# KiCad board chicker.kicad_pcb (continued)
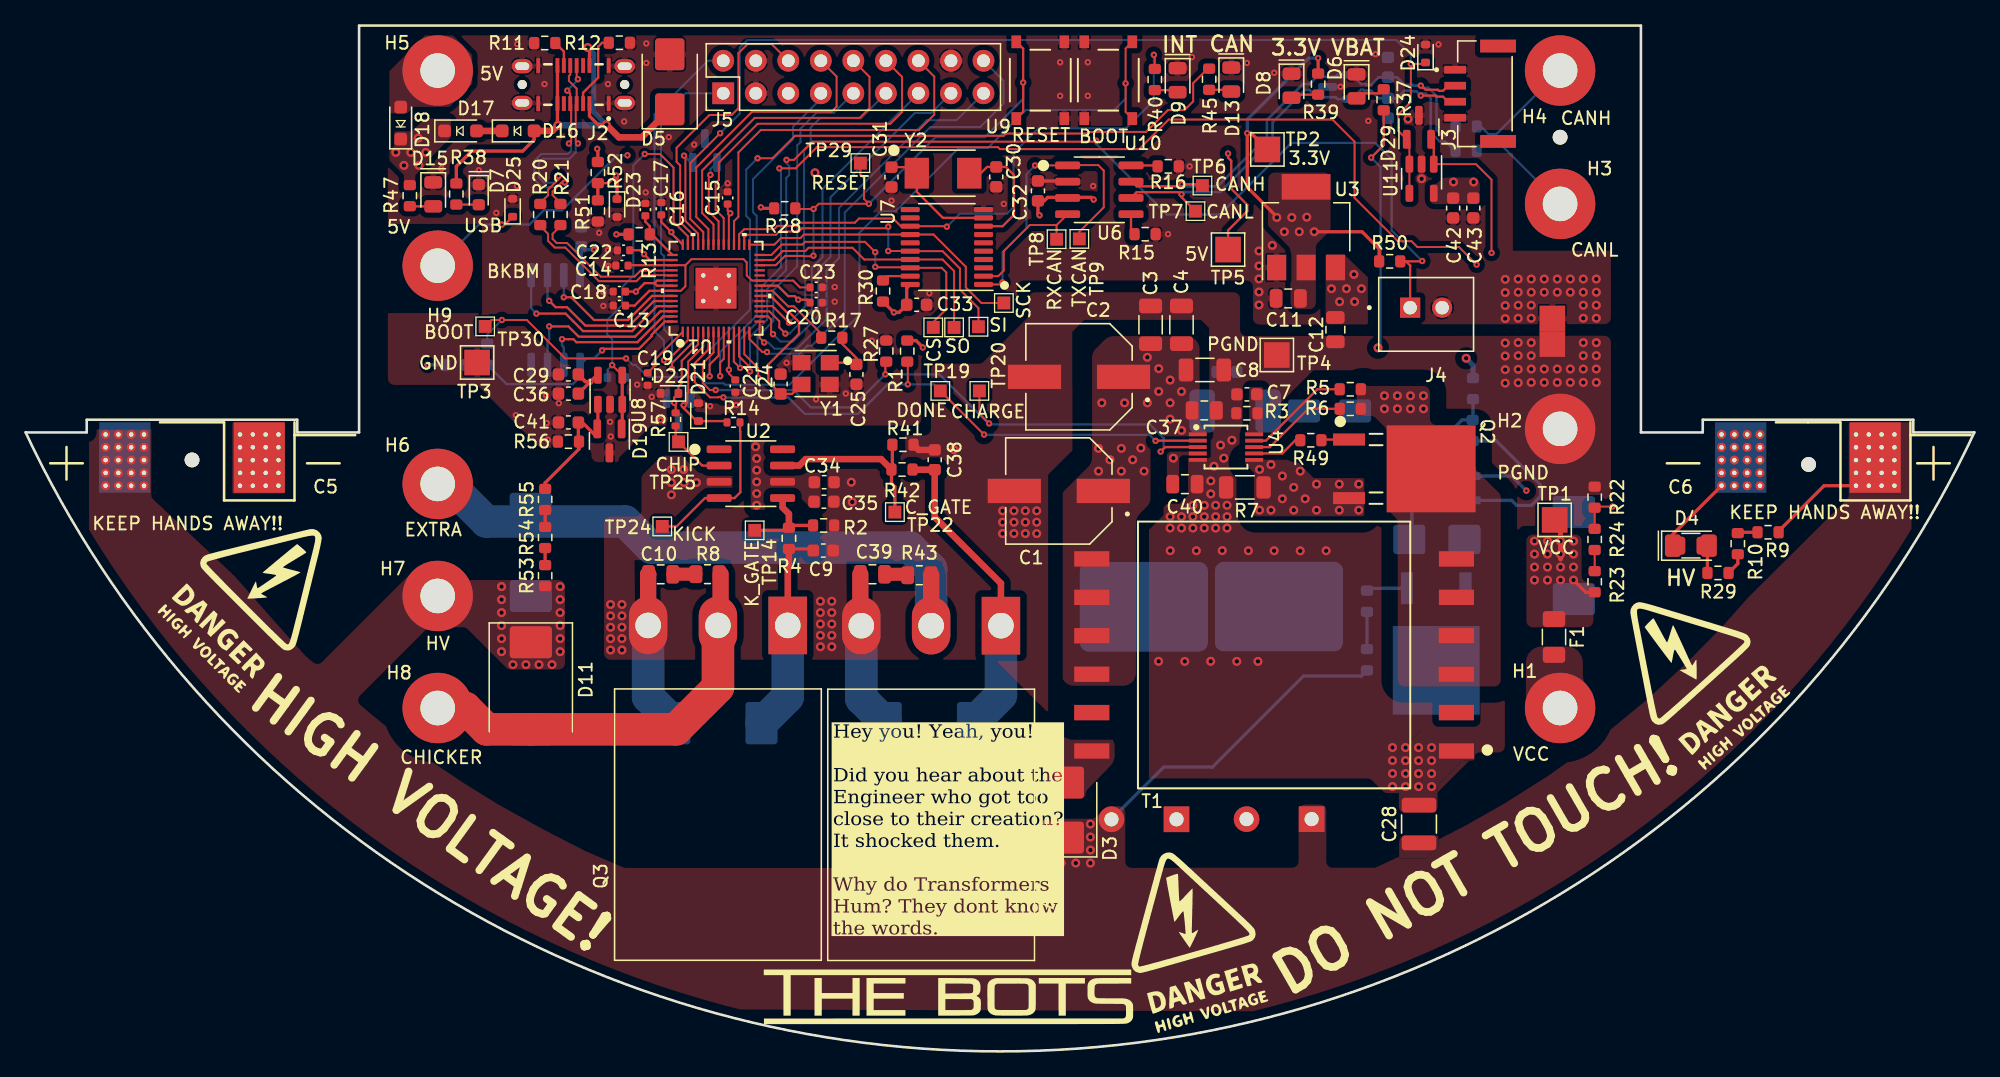
[diagram p0: board, top side]
## Routing (per net, layer and track width the routed paths; a pad name or vN(x,y) marks a point on that pad's centre or on a via; arc(x,y) is an arc through that point) (continued)
/Flyback_HV/IGBTGATE_CHIP: length 24.6
  Top w0.508: Q7.1 76.15,36.55 70.98,41.72 C38.1 69.27,45.42 69.26,45.43 69.26,45.44
  Bottom w2.54: D10.1 76.15,27.82 Q7.1
/Flyback_HV/IGBTGATE_KICK: length 16.5
  Top w0.254: R4.2 61.37,39.24 C9.1
  Top w0.508: Q3.1 59.5,37.7 59.59,37.8 R4.2
  Bottom w2.54: D1.1 59.5,27.68 Q3.1
/Flyback_HV/KICK_0R: length 12.7
  Top w0.178: TP24.1 50.82,41 53.04,43.21 U2.4 55.35,43.21 55.8,43.66 55.8,48.39 55.78,48.41 R14.2
/Flyback_HV/KICK_GATE: length 7.2
  Top w0.254: TP14.1 59.26,40.69 59.45,40.89 R4.1 59.78,41.07 R2.1
  Top w0.508: U2.5 59.1,42.48 59.59,41.98 R4.1
/Flyback_HV/KICK_HV: length 32.9
  Top w1.27: Q3.2 54.26,33.47 54.26,37.27
  Top w2.54: Q3.2 54.05,28.43 50.78,25.15 D11.2 35.99,25.15 34.32,26.82 H8.1
/Flyback_HV/Q2D:
  vias: v2(106.09,51.2) v2(106.09,50.18) v2(107.1,51.2) v2(107.1,50.18) v2(108.12,51.2) v2(108.12,50.18) v2(109.13,51.2) v2(109.13,50.18)
/Flyback_HV/RDCM: length 7.9
  Top w0.178: U4.8 97.15,47.19 100.13,50.18 R6.1
/Flyback_HV/RVOUT: length 8.3
  Top w0.178: U4.9 96.83,47.69 100.85,51.71 R5.1
/Flyback_HV/SNUB: length 1.8
  Top w1.016: C39.1 68.79,37.26 68.86,37.19
/Flyback_HV/SNUB2: length 1.8
  Top w1.016: 50.54,37.26 50.54,37.27 50.55,37.27 R8.2
/Flyback_HV/VSOURCE:
  vias: v2(96.34,45.44) v2(96.34,42.27) v2(97.23,45.82) v2(97.23,42.27) v2(98.12,44.93) v2(98.12,43.16) v2(99.01,44.05) v2(99.01,42.27) v2(99.51,45.32) v2(99.9,43.16) v2(100.78,44.3) v2(100.78,42.27) v2(102.56,44.3) v2(102.56,42.27) v2(104.09,44.3) v2(104.09,42.27)
/High Voltage Feedback/HV_FDBK1: length 1.3
  Top w0.254: R53.2 R54.1
/High Voltage Feedback/HV_FDBK2: length 1.3
  Top w0.254: R54.2 R55.1
/High Voltage Feedback/HV_RAW: length 10.7
  Top w0.254: R55.2 40.56,44.4 43.2,47.04 R56.1 43.15,47.67 C41.1 ; C41.1 43.47,49.12 44.53,48.06 44.68,48.21 44.68,50.23 ; C41.1 43.48,49.12
/High Voltage Feedback/HV_SENSE: length 33.8
  Top w0.152: v1(48.33,70.08) 49.53,70.08 50.59,69.02 50.59,64.77 51.71,63.66 U1.41 ; U8.4 v1(45.79,53.59)
  Top w0.254: 46.43,48.06 46.58,48.21 46.58,52.51
  Bottom w0.152: v1(48.33,70.08) 47.44,69.19 47.44,60.56 46.56,59.67 46.56,58.27 45.41,57.13 45.41,55.98 45.79,55.6 v1(45.79,53.59) 45.43,53.23 D20.1
/PowerPillars/BATT_RAW: length 42.1
  Top w0.152: v1(114.45,62.36) 114.45,68.07 113.24,69.29 U11.1 ; v1(123.9,42.55) 122.59,42.55 R22.1 R24.2
  Top w0.178: D29.2 109.94,71.02 U11.1
  In1.Cu w0.152: v1(114.45,62.36) 114.45,51.06 116.23,49.28 116.23,45.87 118.03,44.07 122.37,44.07 v1(123.9,42.55)
/PowerPillars/CANR+: length 8.8
  Bottom w0.178: H4.1 114.82,71.62 114.23,71.62 113.61,72.24 R26.1
/PowerPillars/CANR-: length 8.9
  Bottom w0.178: H3.1 114.82,71.16 114.19,71.16 113.36,70.33 R25.1
/PowerPillars/USB_DIO: length 1.8
  Top w0.178: R38.2 35.37,66.13 D7.2
/RP2040/BATT_LEVEL: length 83.3
  Top w0.152: U1.38 52.91,63.99 51.89,65.01 51.89,69.37 v1(54.23,71.71) ; U11.4 U11.3 108.04,71.02 D29.1 107.16,71.9 107.16,73.16 108.15,74.15 v1(108.15,77.12) 109.19,77.12 D24.1
  Bottom w0.152: v1(54.23,71.71) 55.75,73.23 55.75,78.39 56.35,78.98 107.01,78.98 108.15,77.85 v1(108.15,77.12)
/RP2040/BKBM: length 34.5
  Top w0.152: U1.35 54.11,64.82 53.34,65.58 53.34,68.33 v1(53.46,68.46)
  Top w0.178: D25.1 37.41,64.57 v1(37.18,64.57)
  In2.Cu w0.152: v1(46.99,69.98) 46.99,69.27 48.44,67.82 52.83,67.82 v1(53.46,68.46)
  Bottom w0.152: D27.1 53.46,68.9 v1(53.46,68.46)
  Bottom w0.178: H9.1 35.38,64.57 v1(37.18,64.57) 39.34,64.57 40.46,65.69 41.88,65.69 46.17,69.98 v1(46.99,69.98)
/RP2040/BOOT: length 75.3
  Top w0.152: U10.2 85.88,73.37 v1(85.88,75.6) 85.88,78.32 U10.1 ; v1(46.88,54.12) 42.13,54.12 39.13,57.12 v1(37.18,57.12) 36.38,57.12 TP30.1
  Bottom w0.152: v1(85.88,75.6) 85.88,74.4 84.99,73.51 78.08,73.51 75.13,70.56 72.87,70.56 67.92,65.61 66.77,65.61 65.1,63.93 65.1,57.53 59.63,52.07 54.6,52.07 54.49,52.18 53.04,52.18 52.54,52.68 48.59,52.68 48.38,52.89 48.36,52.89 47.63,53.62 47.38,53.62 v1(46.88,54.12) ; v1(37.18,57.12) 36.04,55.97 R18.1
/RP2040/CAN_LED: length 61.6
  Top w0.152: v1(53.4,52.72) 53.4,53.63 54.11,54.34 U1.8 ; R45.2 92.29,76.75 91.16,75.62 91.16,74.2 90.47,73.51 89.18,73.51 87.48,71.81 83,71.81 82.88,71.68 76.53,71.68 76.35,71.5 60.07,71.5 58.32,69.75 v1(57.15,69.75)
  Bottom w0.152: v1(57.15,69.75) 56.26,68.86 56.26,65.25 56.56,64.96 56.56,57.93 53.4,54.78 v1(53.4,52.72)
/RP2040/CC1: length 5.9
  Top w0.178: J2.A5 43.52,74.87 44.7,76.05 44.7,78.46 45.01,78.77 R12.1
/RP2040/CC2: length 2
  Top w0.178: J2.B5 42.02,78.09 R11.1
/RP2040/CHIP: length 7.9
  Top w0.152: D22.1 50.97,51.94 51.22,52.19 51.22,53.93 52.51,55.21 U1.4
  Top w0.178: D22.1 50.63,51.05 v1(50.63,50.66) 50.75,50.54 R57.1
  Bottom w0.178: D28.1 50.37,50.66 v1(50.63,50.66)
/RP2040/D+: length 16.4
  Top w0.152: v1(43.12,70.9) 42.95,71.08 42.95,73.95 J2.A6 43.02,75.19 42.42,75.8 42.42,76.18 42.52,76.28 J2.B6 ; v1(41.59,68.35) 41.59,68.1 40.79,67.3 40.79,66.87 40.18,66.26 R20.2
  Bottom w0.152: v1(41.59,68.35) 41.59,68.1 41.34,67.85 40.48,67.85 40.08,68.24 40.08,69.4 40.41,69.73 42.46,69.73 42.95,70.21 42.95,70.73 v1(43.12,70.9)
/RP2040/D-: length 17.2
  Top w0.152: v1(42.42,70.9) 42.59,71.08 42.59,73.95 J2.A7 42.52,74.8 v1(42.29,75.03) ; R21.2 41.76,66.26 41.15,66.87 41.15,67.15 41.85,67.85 v1(42.09,67.85) ; v1(43.12,75.92) 43.02,76.02 J2.B7
  Bottom w0.152: v1(42.42,70.9) 42.59,70.73 42.59,70.36 42.32,70.08 40.26,70.08 39.72,69.54 39.72,68.09 40.33,67.49 41.48,67.49 41.85,67.85 v1(42.09,67.85) ; v1(42.29,75.03) 43.12,75.86 v1(43.12,75.92)
/RP2040/DR+: length 12.7
  Top w0.152: U1.47 49.89,60.6 49.87,60.62 48.16,60.62 47.68,60.15 44.75,60.15 42.13,62.78 41.31,62.78 40.79,63.3 40.79,63.85 40.18,64.46 R20.1
/RP2040/DR-: length 12.1
  Top w0.152: U1.46 49.89,61 49.87,60.98 48.01,60.98 47.54,60.5 44.9,60.5 42.28,63.13 41.46,63.13 41.15,63.45 41.15,63.85 41.76,64.46 R21.1
/RP2040/GPIO7: length 29.2
  Top w0.152: v1(54.23,52.73) 54.23,53.8 54.51,54.08 U1.9
  Bottom w0.152: J5.4 62.09,74.39 59.92,72.22 59.92,71.25 56.79,68.12 56.79,65.53 57.07,65.25 57.07,57.46 54.23,54.61 v1(54.23,52.73)
/RP2040/GPIO10: length 30.2
  Top w0.152: U1.13 56.11,54.45 56.96,53.59 56.96,53.59 57.19,53.36 v1(57.19,52.6)
  Bottom w0.152: v1(57.19,52.6) 57.14,52.65 57.14,55.79 58.38,57.04 58.38,59.45 60.24,61.31 60.24,70.76 60.5,71.02 60.5,72.06 61.74,73.31 63.11,73.31 J5.5
/RP2040/GPIO11: length 37.6
  Top w0.152: v1(57.88,54.62) 57.52,54.62 56.51,55.64 U1.14
  Bottom w0.152: v1(57.88,54.62) 58.02,54.48 60.41,54.48 61.05,55.12 61.38,55.12 63.95,57.69 63.95,65.51 70.63,72.19 74.52,72.19 76.35,74.02 76.35,75.8 J5.10
/RP2040/GPIO12: length 31.9
  Top w0.152: U1.15 57.31,55.72 v1(57.66,55.36)
  Bottom w0.152: J5.9 72.68,72.72 70.36,72.72 63.5,65.86 63.5,61.95 62.53,60.98 62.53,57.17 60.24,54.88 58.46,54.88 57.98,55.36 v1(57.66,55.36)
/RP2040/GPIO13: length 29.2
  Top w0.152: v1(58.35,56.01) 58.21,56.15 58.21,57.15 57.96,57.4 U1.16
  Bottom w0.152: J5.8 70.7,73.28 69.42,73.28 62.84,66.7 62.84,62.05 61.89,61.11 61.89,57.42 59.91,55.45 58.91,55.45 v1(58.35,56.01)
/RP2040/GPIO14: length 26.3
  Top w0.152: U1.17 58.07,57.8 58.84,57.02 58.84,56.53 v1(59.32,56.06)
  Bottom w0.152: J5.7 62.22,67.34 62.22,62.03 61.38,61.2 61.38,57.8 59.63,56.06 v1(59.32,56.06)
/RP2040/GPIO15: length 25.8
  Top w0.152: U1.18 58.32,58.2 v1(59.6,56.92)
  Bottom w0.152: J5.6 65.21,72.87 62.02,72.87 61.29,72.14 61.29,70.84 60.78,70.33 60.78,61.08 60.78,61.08 60.87,60.98 60.87,58.19 v1(59.6,56.92)
/RP2040/GPIO21: length 28.6
  Top w0.152: U1.32 55.31,64.83 55.65,65.18 55.65,70.21 57.4,71.96 69.75,71.96 70.94,73.15 70.94,76.13 J5.12
/RP2040/GPIO22: length 27.2
  Top w0.152: U1.34 54.51,65.08 53.87,65.71 53.87,67.79 54.12,68.05 54.12,69.42 57.15,72.44 67.51,72.44 68.43,73.36 68.43,76.11 J5.13
/RP2040/GPIO24: length 25.5
  Top w0.152: U1.36 53.71,64.58 52.82,65.47 52.82,68.8 56.92,72.9 65.12,72.9 65.89,73.66 65.89,76.11 J5.14
/RP2040/GPIO25: length 23.4
  Top w0.152: U1.37 53.31,64.22 52.36,65.17 52.36,69.02 56.72,73.38 62.91,73.38 63.32,73.79 63.32,76.13 J5.15
/RP2040/GPIO27_ADC2: length 23.2
  Top w0.152: J5.16 58.24,78.67 56.36,78.67 55.65,77.95 55.65,73.66 55.12,73.13 53.39,73.13 50.82,70.56 50.82,69.47 51.1,69.19 51.1,64.76 52.11,63.76 U1.40
/RP2040/KICK: length 11.3
  Top w0.152: v1(51.37,50.47) 51.47,50.47 51.66,50.65 51.66,51.4 51.73,51.47 51.73,53.87 52.91,55.04 U1.5
  Top w0.178: R14.1 54.66,49.23 D21.1 52.39,49.23 51.37,50.24 v1(51.37,50.47)
  Bottom w0.152: D28.2 51.42,50.47 v1(51.37,50.47)
/RP2040/QSPI_SCLK: length 13.3
  Top w0.178: v1(40.88,58.62) 41.38,58.12 42.27,58.12 43.7,56.68 47.14,56.68 49.05,58.6 U1.52
  Bottom w0.178: U5.6 40.74,58.75 v1(40.88,58.62)
/RP2040/QSPI_SD0: length 15.2
  Top w0.178: v1(39.88,57.62) 42.16,57.62 43.52,56.25 47.35,56.25 49.29,58.2 U1.53
  Bottom w0.178: U5.5 39.47,58.02 v1(39.88,57.62)
/RP2040/QSPI_SD1: length 11.6
  Top w0.178: U1.55 49.77,57.4 47.76,55.39 43,55.39 42.77,55.62 v1(41.88,55.62)
  Bottom w0.178: U5.2 42.01,54.98 41.88,55.12 v1(41.88,55.62)
/RP2040/QSPI_SD2: length 13.8
  Top w0.178: U1.54 49.56,57.8 47.58,55.82 43.18,55.82 42.38,56.62 v1(40.88,56.62)
  Bottom w0.178: v1(40.88,56.62) 40.88,55.62 40.74,55.48 U5.3
/RP2040/QSPI_SD3: length 11.7
  Top w0.178: v1(42.01,58.89) 42.61,58.89 44.38,57.12 47.03,57.12 48.91,59 U1.51
  Bottom w0.178: v1(42.01,58.89) U5.7
/RP2040/QSPI_SS: length 19.4
  Top w0.178: v1(45,54.74) 45.13,54.87 47.88,54.87 48.88,55.87 48.88,55.97 49.91,57 U1.56
  Bottom w0.178: R19.1 R18.2 37.54,52.12 42.73,52.12 43.28,52.67 U5.1 43.78,54.12 44.38,54.12 v1(45,54.74)
/RP2040/RUN: length 40.7
  Top w0.152: TP29.1 65.17,68.48 65.45,68.2 65.45,66.58 v1(65.83,66.19) 61.92,66.19 v1(61.52,65.79) 60.14,65.79 R28.2 ; U1.26 58.57,61.4 59.29,62.12 60.68,62.12 60.71,62.1 61.46,62.1 v1(61.51,62.14)
  Top w0.178: U9.2 77.88,78.31 v1(77.88,75.66) 77.88,73.38 U9.1
  Bottom w0.152: v1(61.51,62.14) 61.51,65.78 v1(61.52,65.79)
  Bottom w0.178: v1(65.83,66.19) 71.04,71.4 74.9,71.4 77.88,74.38 v1(77.88,75.66)
/RP2040/RX: length 29.8
  Top w0.152: v1(49.84,53.98) 50.14,53.98 51.71,55.54 U1.2
  Bottom w0.152: J5.18 53.28,77.37 49.1,73.18 49.1,56.25 49.85,55.49 49.85,53.99 v1(49.84,53.98)
/RP2040/SHELL_OFF: length 89.4
  Top w0.152: v1(83.59,71.12) 83.51,71.05 61.41,71.05 59.99,69.62 v1(59.41,69.62) ; U1.12 55.7,56.19 55.7,54.28 56.56,53.43 v1(56.56,53.11)
  Top w0.178: v1(109.04,61.72) 109.01,61.7 R50.2 107.77,61.7 108.1,61.37 108.09,61.36 J4.1
  Bottom w0.152: v1(56.56,53.11) 56.56,55.79 57.89,57.13 57.89,59.54 59.38,61.02 59.38,68.21 59.62,68.45 59.62,69.13 59.41,69.34 v1(59.41,69.62)
  Bottom w0.178: v1(83.59,71.12) 83.59,70.87 89.1,65.36 93.24,65.36 98.83,70.94 105.38,70.94 106.65,69.67 106.65,64.11 v1(109.04,61.72)
/RP2040/TX: length 29.2
  Top w0.152: v1(50.46,53.31) 50.46,53.74 52.11,55.39 U1.3
  Bottom w0.152: J5.1 51.53,74.83 49.6,72.9 49.6,62.34 49.85,62.1 49.85,56.39 50.46,55.78 v1(50.46,53.31)
/RP2040/XIN: length 12.9
  Top w0.178: Y1.3 59.84,51.34 C24.2 57.98,52.3 57.98,53.64 60.38,56.04 60.38,56.96 59.64,57.7 59.46,57.7 58.16,59 U1.20
/RP2040/XOUT: length 6.5
  Top w0.152: U1.21 58.32,59.4 59.53,58.19 59.99,58.19 62.11,56.06 R17.2
/RP2040/XOUT_R: length 4.7
  Top w0.178: Y1.1 64.73,53.78 C25.2 64.86,54.15 63.75,55.26 63.75,55.76 63.73,55.74
HV: length 32.4
  Top w0.254: C6.1 140.41,44.18 136.86,40.63 R9.2
  Bottom w0.254: R44.2 88.85,22.2 92.66,22.2 99.77,29.31 104.28,29.31 R34.1
  vias: v2(37.16,36.3) v2(37.16,35.28) v2(37.16,34.27) v2(37.16,33.25) v2(37.16,32.23) v2(37.16,31.22) v2(38.05,30.2) v2(39.06,30.2) v2(40.08,30.2) v2(41.09,30.2) v2(41.73,36.3) v2(41.73,35.28) v2(41.73,34.27) v2(41.73,33.25) v2(41.73,32.23) v2(41.73,31.22) v2(79.7,17.76) v2(79.7,16.74) v2(79.7,15.72) v2(79.7,14.71) v2(80.85,14.71) v2(81.99,14.71) v2(83.13,17.76) v2(83.13,16.74) v2(83.13,15.72) v2(83.13,14.71)
Net-(D4-A): length 2.2
  Top w0.254: R29.1 131.3,39.38 D4.2
Net-(D9-A): length 1.8
  Top w0.178: R40.2 89.93,75.07 89.94,75.06
Net-(D13-A): length 1.7
  Top w0.178: R45.1 94.12,75.1 94.13,75.11
Net-(Q2-G): length 2.2
  Top w0.178: R49.2 101.22,47.78 Q2.1
Net-(Q5-Pad2): length 2.2
  Bottom w0.254: Q5.2 109.52,45.31 Q8.3
Net-(R10-Pad1): length 1.8
  Top w0.254: R29.2 133.68,38.09 R10.1
Net-(R10-Pad2): length 1.6
  Top w0.254: R10.2 133.74,40.54 R9.1
Net-(R23-Pad2): length 1.7
  Top w0.152: R23.2 R24.1
Net-(U4-GATE): length 4
  Top w0.178: U4.7 98.1,46.69 99.13,47.73 R49.1
Net-(U7-~{RESET}): length 2.3
  Top w0.178: R30.2 67.28,60.54 U7.19

## Copper pours and planes (outline as drawn; the poured copper is in the pictures)
+3.3V on Top: 101.88,68.63 101.88,64.14 100.73,62.99 100.73,57.96 98.75,57.96 98.75,62.71 96.99,64.48 97.03,68.63
+3.3V on Top: 109.65,67.69 109.65,66.37 109.85,66.17 113.41,66.17 113.54,66.3 113.54,67.92 113.21,68.25 110.67,68.25 110.11,67.69
+3.3V on In1.Cu: 28.29,88.52 28.29,52.05 35.25,52.05 40.17,47.13 44.18,47.12 44.18,46.02 46.3,46.02 46.3,46.34 48.83,48.87 69.92,48.87 69.92,54.46 74.11,54.46 77.42,57.76 77.42,60.2 95.82,60.2 95.82,56.76 123.78,56.8 123.75,88.52
+5V on Top: 101.5,62.23 101.5,56.77 104.8,56.77 104.8,60.45 102.95,62.23
+5V on Top: 28.78,70.72 28.39,70.33 28.39,69.57 29.54,68.43 29.54,67.29 30.43,67.29 30.43,68.43 31.57,69.57 31.57,69.75 33.22,71.4 33.22,72.85 31.16,72.85 30.17,71.86 28.78,71.86
+5V on In1.Cu: 28.29,66.91 54.68,66.91 57.35,69.57 98.62,69.57 101.47,66.73 101.45,59.15 102.51,58.09 105.13,58.09 105.13,75.52 101.29,79.35 28.29,79.35
/PowerPillars/5V_IN on Top: 33.35,79.35 34.87,77.83 34.87,75.54 33.09,73.76 30.3,73.76 29.79,73.26 28.39,73.26 28.39,76.56 31.19,79.35
/PowerPillars/VCC_FUSE on Top: 117.14,31.63 121.58,31.63 121.58,28.85 122.47,27.96 122.47,25.8 120.82,24.15 118.66,24.15 117.14,25.67
GND on Top, Bottom, In2.Cu: 28.29,88.52 28.29,52.05 35.25,52.05 40.17,47.13 44.18,47.12 44.18,46.02 46.3,46.02 46.3,46.34 48.83,48.87 69.92,48.87 69.92,54.46 74.11,54.46 77.42,57.76 77.42,60.2 95.82,60.2 95.82,56.76 123.77,56.8 123.75,88.52
GNDPWR on Top: 20.25,50.44 20.25,43.55 16.14,43.55 16.14,50.44
GNDPWR on Top: 113.15,25.1 113.15,22.71 112.19,22.71 110.23,20.75 110.23,18.62 107.21,18.62 107.21,23.37 108.94,25.1
GNDPWR on Top: 94.79,41.51 94.79,50.73 94.89,50.83 94.89,53.19 92.4,53.19 92.4,48.87 92.53,48.74 92.53,46.46 92.4,46.33 90.75,46.33 90.75,43.79 91.26,43.28 91.26,41.51
GNDPWR on Top, Bottom, In2.Cu: 123.77,41.04 123.77,55.89 94.82,55.86 94.82,59.29 78.31,59.29 78.31,57.38 74.62,53.7 70.69,53.7 70.69,48.11 52.78,48.11 51.19,46.52 49.67,46.52 48.08,44.93 48.08,41.76 45.16,41.76 45.16,30.58 75.69,30.58 80.08,26.19 80.08,21.31 104.97,21.31 106.12,20.17 110.18,20.17 113.36,23.34 115.49,23.34 115.49,28.15 116.54,29.19 116.53,41.04
GNDPWR on Bottom: 135.96,49.94 135.96,43.56 131.93,43.56 131.93,49.94
GNDPWR on In1.Cu, In2.Cu: 22.54,49.77 22.45,30.36 24.38,28.6 26.72,26.52 28.93,24.74 30.91,23.21 32.76,21.89 34.19,20.93 39.8,26.48 44.87,26.49 46.74,28.34 46.72,35.46 50.36,35.46 50.36,27.83 49.12,26.49 60.46,26.43 63.67,29.64 63.67,35.36 66.81,35.39 66.78,27.79 63.26,23.77 41.44,23.77 36.94,19.26 40.69,17.18 42.88,16.06 43.69,15.64 44.56,15.27 45.43,14.89 46.75,14.33 105.23,14.33 106.13,14.64 106.13,24.23 110.26,24.23 110.28,16.58 112.31,17.6 115.19,19.23 118.83,21.51 122.63,24.21 126.72,27.6 129.32,30.04 129.48,30.2 129.43,49.52 136.41,49.54 136.69,49.21 136.66,3.09 15.47,3.24 15.47,48.63 16.56,49.72
VCC on Top: 90.06,46.33 90.3,46.55 92.2,46.55 92.2,46.85 89.33,46.84 89.1,46.61 89.1,43.63 90.06,43.63
VCC on Top: 56.61,47.75 57.76,47.75 57.76,45.09 60.42,45.09 60.55,45.21 62.08,45.21 62.08,42.42 61.31,42.42 59.92,43.82 57.76,43.82 57.76,42.29 56.61,42.29
VCC on Top: 92.22,48.04 87.83,48.03 87.83,42.83 86.69,41.68 86.69,28.55 80.85,28.55 80.85,43.54 83.26,45.95 83.26,54.59 84.53,55.86 91.65,55.86 91.67,48.97 92.22,48.37
VCC on Top, Bottom: 117.17,40.36 117.17,33.12 122.38,33.12 122.5,36.68 121.49,36.62 121.49,40.36
VCC on Bottom: 93.42,53.82 93.42,52.3 93.04,51.92 93.04,48.11 89.61,48.11 88.85,48.87 88.85,53.82
VCC on In1.Cu: 115.23,55.87 94.82,55.87 94.82,59.29 78.31,59.29 78.31,57.38 74.62,53.7 70.69,53.7 70.69,48.11 52.78,48.11 51.19,46.52 49.67,46.52 48.08,44.93 48.08,41.39 72.32,41.39 80.08,33.62 80.05,21.27 104.49,21.27 104.49,26.39 113.81,26.39 120.54,33.12 121.49,33.12 121.48,43.49 115.23,43.5
/Autodischarge/AD_35W on Bottom: 113.36,26.52 102.94,26.52 96.47,20.04 96.47,16.99 88.85,16.99 88.85,19.15 94.18,19.15 102.44,27.41 106.88,27.41 106.88,33.25 113.36,33.25
/Autodischarge/AD_G on Bottom: 106.75,41.25 106.75,37.7 107.39,37.06 107.39,34.9 108.53,34.9 108.91,35.28 108.91,38.58 109.29,38.97 109.29,41.25
/Flyback_HV/CHIP_HV on Bottom: 37.4,43.59 41.53,43.59 41.53,40.67 40.97,40.11 38.37,40.11 37.4,41.07
/Flyback_HV/HV_DIO on Top: 85.04,24.87 85.04,22.65 82.75,20.3 82.75,19.79 79.58,19.79 79.58,24.87
/Flyback_HV/Q2D on Top: 104.69,51.96 104.69,52.09 103.93,52.09 103.93,49.64 105.23,49.64 106.25,48.62 106.25,42.14 106.5,42.14 107.13,41.51 107.13,28.5 115.17,28.5 115.17,43.47 113.2,45.44 113.2,48.91 109.64,48.91 109.64,51.96
/Flyback_HV/Q2D on Bottom: 102.53,50.95 102.53,49.04 105.07,49.04 105.71,49.68 109.64,49.68 109.64,51.71 105.71,51.71 104.94,50.95
/Flyback_HV/RBG on Top: 95.53,51.89 95.53,48.62 95.3,48.41 95.3,48.03 96.62,48.03 96.62,51.89
/Flyback_HV/RCD on Bottom: 101.04,51.03 101.04,48.87 98.63,48.87 97.99,48.24 95.83,48.24 95.83,51.79 95.32,52.3 94.18,52.3 94.18,53.82 96.85,53.82 99.64,51.03
/Flyback_HV/VSOURCE on Top, In1.Cu, In2.Cu: 95.21,46.33 96.59,46.33 96.72,46.2 99.13,46.2 100.57,44.77 104.51,44.77 104.51,41.79 95.9,41.79 95.9,45.18 95.21,45.87
HV on Top: 147.24,50.01 147.24,43.51 142.34,43.51 142.34,50.01
HV on Top: 107.24,16.87 107.24,15.08 109.35,15.08 110.29,16.03 110.29,16.87
HV on Top, Bottom: 9.81,43.26 16.31,37.13 19.2,33.84 21.84,30.89 22.81,30.08 30.68,37.95 33.35,37.95 34.49,36.81 42.11,36.81 42.11,29.82 37.67,29.82 34.36,33.12 31.44,33.12 25.72,27.4 27.02,26.31 29.23,24.51 31.21,23.02 32.33,22.2 34.24,20.93 36.9,19.28 40.45,17.32 43.71,15.65 45.97,14.67 46.78,14.33 79.22,14.33 79.22,18.16 83.4,18.16 84.44,19.15 85.85,19.15 85.85,14.33 99.39,14.34 99.39,19.28 101.55,19.28 101.55,14.33 105.36,14.34 107.39,15.28 110.19,16.49 112.48,17.67 115.49,19.38 118.96,21.58 122.73,24.3 126.13,27.1 126.6,27.48 129.63,30.29 132.38,33.08 134.5,35.46 142.35,43.27 142.35,46.33 142.35,53.41 147.24,53.48 147.24,2.95 4.95,3.45 4.95,50.75 9.83,50.56
HV on Bottom: 9.83,50.04 9.83,43.54 4.93,43.54 4.93,50.04

Small or netless copper shapes (teardrops, artwork), in the pictures only: 3 on Bottom

## Text on the board
B.Silkscreen: JLCJLCJLCJLC | CHIP | KICK | Hey you! Yeah, you! / Did you hear about the Engineer who got too close to their creation? It shocked them. / Oh, you're still here? Okay, here's another. Why do Transformers Hum? / They dont know the words. A customer walks into a retail store and asks: / Do you have any two-watt, 4-volt bulbs? / S: For what? C: No, two. S: Two what? C: Yes. S: No. / Wait, I thought you would have left by now? I'm shocked you're still here! / I was gonna tell a joke about electricity, but I forgot Watt it was. | Chicker Board V1.1 / Designed By: Henry Bryant / Printed on: May 28th, 2025 | Beam me up, Scotty!
F.Silkscreen: KEEP HANDS AWAY!! | BOOT | 5V | USB | RESET | INT | CAN | 3.3V | VBAT | HV | DO NOT TOUCH! | HIGH VOLTAGE! | Hey you! Yeah, you! / Did you hear about the / Engineer who got too / close to their creation? / It shocked them. / Why do Transformers / Hum? They dont know / the words.
